# Altium PCB Horizontal Circuit Board.PcbDoc (part 2 of 2)
Units mm, origin at the board's own origin, x right, y up, seen from the top; angles counter-clockwise.
Board outline 200 x 111 mm, 2 copper layers (Top Layer, Bottom Layer); 170 components, 183 nets, 687 pads, 373 vias.
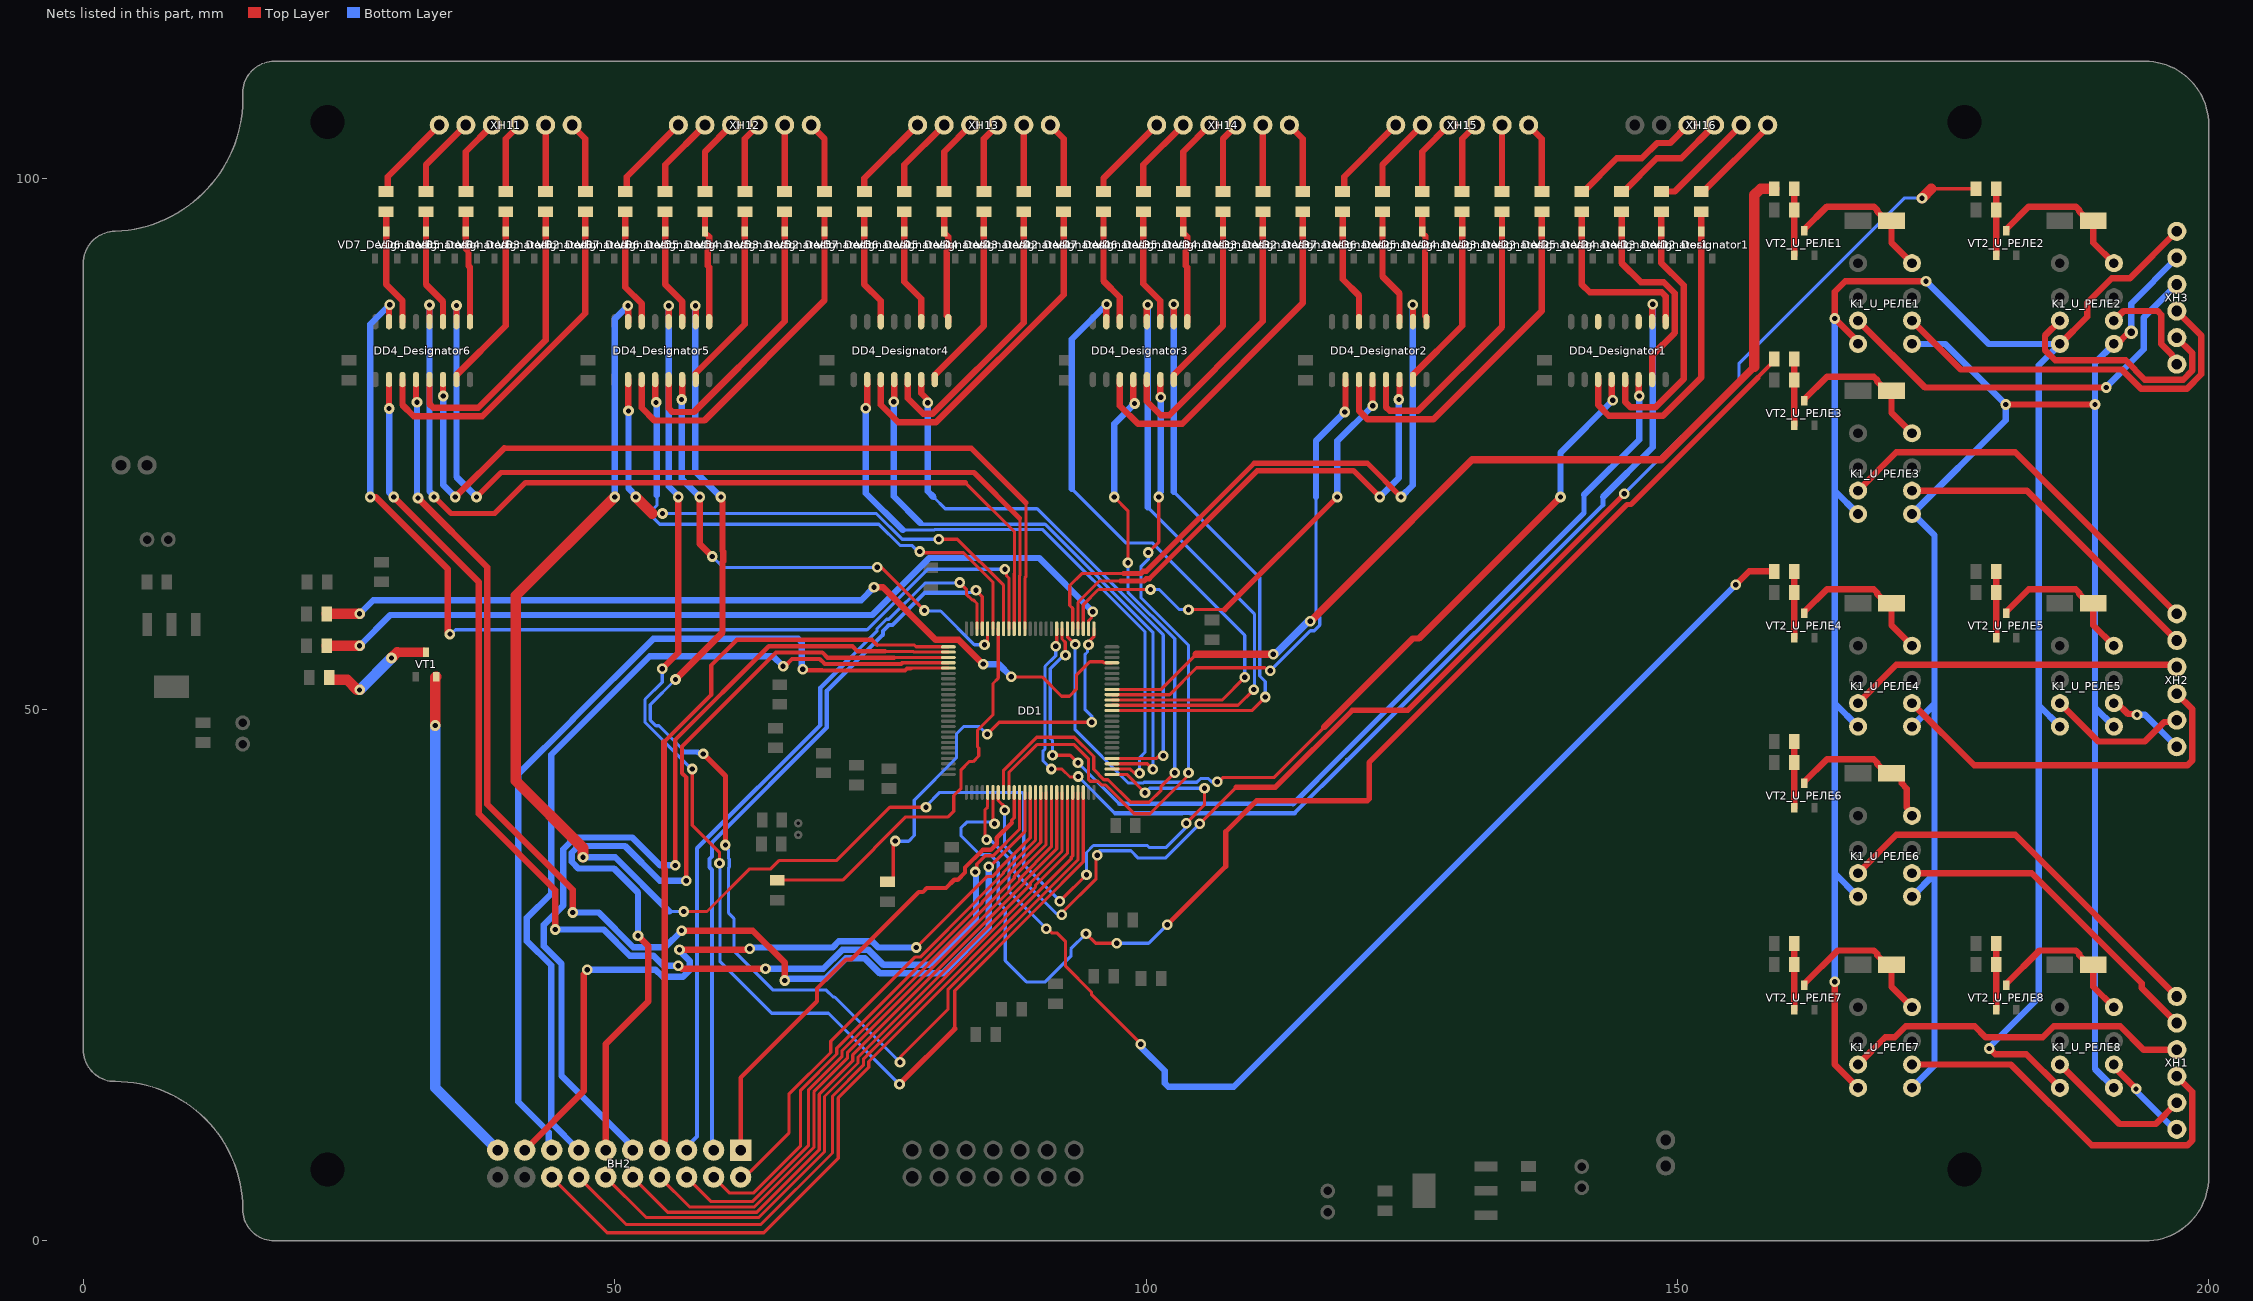
[diagram p2: the nets of this part, all layers, seen from the top]

## Via types
v1: diameter 1, hole 0.5, Top Layer to Bottom Layer, 372 vias
v2: diameter 1.27, hole 0.711, Top Layer to Bottom Layer, 1 vias

## Nets (pads, with @x,y where several pads share a name; then routed paths per layer and width w, separated by ;. In a path a pad name is that pad's centre, name@x,y a point inside that pad or via, vN(x,y) a via of type N, cw(c..) or ccw(c..) an arc to the next point about the centre after c; other vN are vias at no path point) (continued)
NetDD1_30: DD1.30 R13_U_РЕЛЕ4.1 | length 112.6
  Top Layer w0.3: v1(85,37.75) 84.846,37.904 84.846,40.568 85.1,40.822 85.1,41.029 85.1,41.404 DD1.30@85.1,42.2 ; v1(90.6,29.384) 90.722,29.384 91.126,28.98 91.611,28.98 92.433,28.158 92.433,25.847 94.859,23.421 94.859,23.191 99.5,18.55 v1(99.5,18.5)
  Top Layer w0.6: v1(155.5,61.75) 156.75,63 R13_U_РЕЛЕ4.1@159.1,63
  Bottom Layer w0.3: v1(85,37.75) 85.342,37.75 87.104,35.989 87.104,32.896 90.6,29.4 v1(90.6,29.384)
  Bottom Layer w0.6: v1(99.5,18.5) 99.5,18.25 101.75,16 101.75,14.851 102.101,14.5 108.25,14.5 v1(155.5,61.75)
NetDD1_31: DD1.31 R13_U_РЕЛЕ3.1 | length 123.9
  Top Layer w0.3: DD1.31@85.6,42.2 85.6,39.4 v1(85.75,39.25) ; v1(94.355,28.901) 95.256,28 v1(97.25,28) ; 120.824,41.425 121,41.601
  Top Layer w0.4: 157.538,81.237 R13_U_РЕЛЕ3.1@159.1,82.8
  Top Layer w0.5: v1(102,29.75) 107.5,35.25 107.5,38.5 110.425,41.425 120.824,41.425 ; 121,41.601 121,45.025 145.271,69.296 145.64,69.296 157.559,81.216
  Top Layer w0.6: R13_U_РЕЛЕ3.1@159.1,82.8 R13_U_РЕЛЕ3.1@159.1,83
  Bottom Layer w0.3: v1(85.75,39.25) 85.596,39.404 83.126,39.404 82.596,38.874 82.596,38.126 84.376,36.346 85.332,36.346 86.104,35.574 86.104,31.86 86.75,31.214 86.75,26.372 88.751,24.371 90.517,24.371 92.933,26.788 92.933,27.48 v1(94.355,28.901) ; v1(97.25,28) 100.25,28 v1(102,29.75)
NetDD1_32: DD1.32 R13_U_РЕЛЕ2.1 | length 131.8
  Top Layer w0.3: DD1.32@86.1,42.2 86.1,41.443 86.696,40.847 v1(86.696,40.532) ; v1(92.079,30.676) 92.079,30.851 95.304,34.076 95.304,36.176 v1(95.405,36.277) ; v1(105.05,39.25) 108.5,42.7 ; 173.9,99 R13_U_РЕЛЕ2.1@178.1,99
  Top Layer w0.5: 108.5,42.7 112.18,42.7 119.405,49.925 124.625,49.925 v1(145,70.3)
  Top Layer w1: v1(173.025,98.125) 173.9,99
  Bottom Layer w0.3: v1(86.696,40.532) 86.696,37.122 87.604,36.214 87.604,34.746 91.54,30.81 91.946,30.81 v1(92.079,30.676) ; v1(95.405,36.277) 95.184,36.277 95.182,36.275 95.611,36.704 98.586,36.704 99.265,36.025 101.825,36.025 v1(105.05,39.25) ; v1(145,70.3) 155.807,81.107 155.807,82.581 171.352,98.125 v1(173.025,98.125)
NetDD1_33: DD1.33 DD4_Designator3.4 | length 64.3
  Top Layer w0.3: DD1.33@86.6,42.2 86.6,44.278 89.722,47.4 93.254,47.4 95.075,45.579 95.075,44.368 96.043,43.4 96.421,43.4 98.548,41.273 100.279,41.273 101.42,42.414 101.42,42.774 v1(102.7,44.054) ; v1(97,70) 98.3,68.7 v1(98.3,63.8)
  Top Layer w0.6: DD4_Designator3.4@98.81,81.05 98.81,79.023 98.925,78.908 v1(98.925,78.8)
  Bottom Layer w0.3: v1(98.3,63.8) 98.3,61.053 102.7,56.653 v1(102.7,44.054)
  Bottom Layer w0.6: v1(97,70) 97,76.875 v1(98.925,78.8)
NetDD1_34: DD1.34 DD4_Designator3.6 | length 65.1
  Top Layer w0.3: DD1.34@87.1,42.2 87.1,44.071 89.729,46.7 93.247,46.7 94.575,45.372 94.575,43.426 94.751,43.25 95.486,43.25 95.836,42.9 96.2,42.9 98.9,40.2 100.378,40.2 104,43.822 v1(104,44.054) ; v1(100.225,64.775) 101.204,65.754 v1(101.204,70)
  Top Layer w0.6: DD4_Designator3.6@101.35,81.05 101.35,79.425 v1(101.4,79.375)
  Bottom Layer w0.3: v1(100.225,64.775) 100.225,64.15 99.521,63.446 99.521,60.54 104,56.061 v1(104,44.054)
  Bottom Layer w0.6: v1(101.204,70) 101.281,70.077 101.281,70.389 101.4,70.508 v1(101.4,79.375)
NetDD1_36: DD1.36 DD4_Designator6.2 | length 116.6
  Top Layer w0.3: v1(83.925,34.72) 84.066,34.861 84.066,35.442 84.87,36.246 85.623,36.246 88.1,38.723 88.1,40.614 88.1,40.885 DD1.36@88.1,42.2
  Top Layer w0.6: DD4_Designator6.2@28.77,81.05 28.77,78.33 v1(28.775,78.325) ; v1(29.2,70) 37.204,61.996 37.204,40.205 44.4,33.009 v1(44.4,29.3) ; v1(56,25.9) 56.3,25.6 v1(64.2,25.6)
  Bottom Layer w0.6: v1(28.775,78.325) 28.775,70.425 v1(29.2,70) ; v1(44.4,29.3) 48.978,29.3 51.432,26.846 53.654,26.846 54.6,25.9 v1(56,25.9) ; v1(64.2,25.6) 69.63,25.6 71.411,27.38 73.892,27.38 75.304,25.968 79.668,25.968 84,30.3 84,34.645 v1(83.925,34.72)
NetDD1_37: DD1.37 DD4_Designator6.4 | length 118
  Top Layer w0.3: v1(85.2,35.2) 85.2,35.306 85.14,35.366 85.204,35.302 85.386,35.302 88.6,38.516 88.6,40.822 88.6,41.092 DD1.37@88.6,42.2
  Top Layer w0.6: DD4_Designator6.4@31.31,81.05 31.31,79.123 31.4,79.033 v1(31.4,78.925) ; v1(31.5,69.9) 38.004,63.396 38.004,41.096 46.05,33.05 v1(46.05,30.9) ; v1(56.3,29.2) 63,29.2 66,26.2 v1(66,24.5)
  Bottom Layer w0.6: v1(31.4,78.925) 31.4,70 v1(31.5,69.9) ; v1(46.05,30.9) 48.509,30.9 51.763,27.646 54.746,27.646 v1(56.3,29.2) ; v1(66,24.5) 66.179,24.679 69.841,24.679 71.742,26.58 73.56,26.58 74.973,25.168 80.868,25.168 85.2,29.5 v1(85.2,35.2)
NetDD1_47: DD1.47 DD4_Designator5.10 | length 122.8
  Top Layer w0.3: v1(76.85,16.8) 76.85,17.272 81.354,21.776 81.354,23.625 93.6,35.871 DD1.47@93.6,42.2
  Top Layer w0.5: v1(58.35,45.825) 60.425,43.75 v1(60.425,37.25)
  Top Layer w0.6: v1(55.725,52.825) 60.15,57.25 60.15,63.884 60.229,63.963 60.229,64.837 60.15,64.916 60.15,69.567 60.077,69.641 60.077,69.923 v1(60,70) ; v1(57.6,88) 57.62,87.98 DD4_Designator5.10@57.62,86.5
  Bottom Layer w0.3: v1(55.725,52.825) 53.352,50.452 53.352,49.007 53.882,48.477 54.173,48.477 56.65,46 ; v1(60.425,37.25) 60.425,37.061 60.725,36.761 60.725,35.976 60.777,35.924 60.777,35.175 60.725,35.123 60.725,30.85 61.225,30.35 61.225,27.297 64.926,23.596 69.929,23.596 70.575,22.95 70.7,22.95 v1(76.85,16.8)
  Bottom Layer w0.5: 56.65,46 57.821,46 57.901,45.921 58.254,45.921 v1(58.35,45.825)
  Bottom Layer w0.6: v1(57.6,88) 57.6,72.4 v1(60,70)
NetDD1_48: DD1.48 DD4_Designator5.12 | length 124.2
  Top Layer w0.3: v1(57.297,44.4) 57.297,39.1 59.873,36.523 v1(59.873,35.55) ; 82,19.95 82,23.55 89.975,31.525 89.975,31.539 94.1,35.664 DD1.48@94.1,42.2
  Top Layer w0.5: v1(76.8,14.75) 82,19.95
  Top Layer w0.6: v1(54.475,53.825) 56,55.35 v1(56,70) ; DD4_Designator5.12@55.08,86.5 55.08,87.98 v1(55.1,88)
  Bottom Layer w0.3: v1(54.475,53.825) 54.475,52.575 52.852,50.952 52.852,48.8 57.252,44.4 v1(57.297,44.4) ; v1@59.8,35.6 59.925,35.475 59.925,26.275 64.771,21.429 70.121,21.429 v1(76.8,14.75)
  Bottom Layer w0.6: v1(55.1,88) 55.1,71.008 56,70.108 v1(56,70)
NetDD1_51: DD1.51 DD4_Designator5.15 | length 150.5
  Top Layer w0.3: v1(56.5,31) 58.695,31 62.695,35 64.7,35 65.5,35.8 70.9,35.8 75.9,40.8 v1(79.3,40.8) ; v1(91.879,31.952) 91.879,32.182 91.875,32.186 92.136,32.186 v1(94.4,34.45) ; DD1.51@96.8,43.9 98.182,43.9 v1(99.905,42.177) ; v1(103.78,39.302) 105.505,41.027 v1(105.505,42.602)
  Top Layer w0.6: v1(51.25,88) 51.27,87.98 DD4_Designator5.15@51.27,86.5
  Top Layer w1: v1(47.025,36.1) 47.025,36.975 40.7,43.3 40.7,60.7 v1(50,70)
  Bottom Layer w0.3: 55.15,31 v1(56.5,31) ; v1(79.3,40.8) 79.3,40.9 80.6,42.2 88.324,42.2 88.5,42.024 88.5,35.4 91.879,32.021 v1(91.879,31.952) ; v1(94.4,34.45) 94.4,36.551 95.053,37.204 100.134,37.204 100.327,37.01 101.864,37.01 103.78,38.927 v1(103.78,39.302) ; v1(99.905,42.177) 100.33,42.602 v1(105.505,42.602)
  Bottom Layer w0.6: v1(47.025,36.1) 50.05,36.1 55.15,31 ; v1(50,70) 50,86.75 v1(51.25,88)
NetDD1_52: DD1.52 DD4_Designator4.2 | length 58.7
  Top Layer w0.3: DD1.52@96.8,44.4 98.525,44.4 98.929,43.996 v1(99.396,43.996)
  Top Layer w0.6: v1(73.633,78.35) 73.633,78.459 73.77,78.595 DD4_Designator4.2@73.77,81.05
  Bottom Layer w0.3: 77.1,66.9 80.097,66.9 80.126,66.929 90.303,66.929 99.904,57.328 99.904,45.984 99.396,45.476 v1(99.396,43.996)
  Bottom Layer w0.6: v1(73.633,78.35) 73.633,70.367 77.1,66.9
NetDD1_53: DD1.53 DD4_Designator4.4 | length 57.7
  Top Layer w0.3: DD1.53@96.8,44.9 100.125,44.9 v1(100.65,44.375)
  Top Layer w0.6: v1(76.258,78.95) 76.31,79.002 DD4_Designator4.4@76.31,81.05
  Bottom Layer w0.3: 78.771,67.55 78.892,67.429 90.51,67.429 100.65,57.289 v1(100.65,44.375)
  Bottom Layer w0.6: v1(76.258,78.95) 76.258,70.063 78.771,67.55
NetDD1_54: DD1.54 DD4_Designator4.6 | length 54.8
  Top Layer w0.3: DD1.54@96.8,45.4 101,45.4 101.25,45.65 v1(101.625,45.65)
  Top Layer w0.6: DD4_Designator4.6@78.85,81.05 78.85,79.776 79.475,79.151 v1(79.475,78.875)
  Bottom Layer w0.3: 80,70 81.104,68.896 89.75,68.896 101.625,57.021 v1(101.625,45.65)
  Bottom Layer w0.6: v1(79.475,78.875) 79.475,70.525 80,70
NetDD1_63: DD1.63 DD4_Designator3.10 | length 57.2
  Top Layer w0.3: DD1.63@96.8,49.9 109.95,49.9 v1(111.225,51.175)
  Top Layer w0.6: v1(102.6,88.15) 102.62,88.13 DD4_Designator3.10@102.62,86.5
  Bottom Layer w0.3: 102.6,70.508 110.704,62.404 110.704,53.156 111.225,52.635 v1(111.225,51.175)
  Bottom Layer w0.6: 102.6,70.508 v1(102.6,88.15)
NetDD1_64: DD1.64 DD4_Designator3.12 | length 56
  Top Layer w0.3: DD1.64@96.8,50.4 108.653,50.4 v1(110.13,51.878)
  Top Layer w0.6: DD4_Designator3.12@100.08,86.5 100.08,88.03 v1(100.15,88.1)
  Bottom Layer w0.3: 100.15,69.052 110.204,58.998 110.204,51.951 v1(110.13,51.878)
  Bottom Layer w0.6: 100.15,69.052 v1(100.15,88.1)
NetDD1_65: DD1.65 DD4_Designator3.15 | length 59.8
  Top Layer w0.3: DD1.65@96.8,50.9 107.175,50.9 v1(109.3,53.025)
  Top Layer w0.6: DD4_Designator3.15@96.27,86.5 96.27,88.12 v1(96.3,88.15)
  Bottom Layer w0.3: 93,70.775 98.096,65.679 100.599,65.679 109.3,56.978 v1(109.3,53.025)
  Bottom Layer w0.6: 93,70.775 93,84.85 v1(96.3,88.15)
NetDD1_66: DD1.66 DD4_Designator2.2 | length 46.9
  Top Layer w0.3: DD1.66@96.8,51.4 102.225,51.4 104.754,53.929 111.196,53.929 111.478,53.647 v1(111.704,53.647)
  Top Layer w0.6: v1(118.7,78) 118.77,78.07 DD4_Designator2.2@118.77,81.05
  Bottom Layer w0.3: v1(111.704,53.647) 115.47,57.413 115.828,57.413 116.358,57.943 116.358,58.692 116,59.05 116,70
  Bottom Layer w0.6: 116,70 116,75.3 v1(118.7,78)
NetDD1_67: DD1.67 R13_U_РЕЛЕ1.1 | length 91.3
  Top Layer w0.3: DD1.67@96.8,51.9 101.447,51.9 104.736,55.19 ; v1(115.454,58.317) v1@115.492,58.317
  Top Layer w0.7: 104.736,55.19 v1(111.969,55.19) ; v1@115.492,58.317 119.447,62.272 130.675,73.5 148.5,73.5 157.25,82.25
  Top Layer w1: 157.25,82.25 157.25,98.414 157.836,99 R13_U_РЕЛЕ1.1@159.1,99
  Bottom Layer w0.3: v1(111.969,55.19) v1@112.148,55.19 ; v1@115.275,58.317 v1(115.454,58.317)
  Bottom Layer w0.7: v1@112.148,55.19 v1@115.275,58.317
NetDD1_72: DD1.72 R12.2 | length 81.4
  Top Layer w0.3: v1(87.325,53.075) 90.222,53.075 92.051,51.246 92.8,51.246 93.454,51.9 93.454,53.229 94.725,54.5 95.943,54.5 96.043,54.4 96.25,54.4 DD1.72@96.8,54.4
  Top Layer w0.6: v1(74.4,61.5) 75.25,61.5 80.2,56.55 82.375,56.55 84.646,54.279 v1(84.7,54.279)
  Top Layer w1: R12.2@22.9,59 v1(26,59)
  Bottom Layer w0.6: v1(26,59) 27.3,60.3 73.2,60.3 v1(74.4,61.5) ; v1(84.7,54.279) 86.121,54.279 v1(87.325,53.075)
NetDD1_76: DD1.76 R11.2 | length 40.7
  Top Layer w0.3: R11.2@75.675,33.8 75.875,33.8 76.225,34.15 76.225,37.261 76.401,37.436 v1(76.401,37.626) ; v1(85.05,47.675) 86.175,48.8 v1(94.9,48.8) ; v1(94.583,56.111) 94.583,56.326 95.1,56.843 DD1.76@95.1,57.6
  Bottom Layer w0.3: v1(76.401,37.626) 76.418,37.608 77.662,37.608 78.2,38.147 78.2,41.478 82.171,45.449 82.171,47.723 82.855,48.406 84.319,48.406 v1(85.05,47.675) ; v1(94.583,56.111) 94.491,56.018 94.491,55.415 94.25,55.174 94.25,50.029 94.85,49.429 94.9,49.379 v1(94.9,48.8)
NetDD1_77: DD1.77 R4.1 | length 79.4
  Top Layer w0.3: DD1.77@94.6,57.6 94.6,58.15 94.6,58.357 94.87,58.627 94.87,59.059 v1(95.004,59.193)
  Top Layer w1: R4.1@22.9,56 v1(26,56)
  Bottom Layer w0.6: v1(26,56) 28.9,58.9 74.241,58.9 79.595,64.254 89.943,64.254 v1(95.004,59.193)
NetDD1_78: DD1.78 DD4_Designator2.4 | length 44.4
  Top Layer w0.3: DD1.78@94.1,57.6 94.1,59.875 95.525,61.3 v1(100.425,61.3) ; v1(104,59.4) 107.4,59.4
  Top Layer w0.5: 107.4,59.4 v1(118,70)
  Top Layer w0.6: DD4_Designator2.4@121.31,81.05 121.31,78.615 v1(121.325,78.6)
  Bottom Layer w0.3: v1(100.425,61.3) 101.25,61.3 103.15,59.4 v1(104,59.4)
  Bottom Layer w0.6: v1(118,70) 118,75.275 v1(121.325,78.6)
NetDD1_79: DD1.79 DD4_Designator2.6 | length 48.9
  Top Layer w0.3: DD1.79@93.6,57.6 93.6,60.082 95.614,62.096 97.594,62.096
  Top Layer w0.5: 97.594,62.096 99.801,62.096 100.009,62.304 100.307,62.304 110.478,72.475 119.525,72.475 v1(122,70)
  Top Layer w0.6: v1(123.8,79.175) 123.85,79.225 DD4_Designator2.6@123.85,81.05
  Bottom Layer w0.6: v1(122,70) 123.8,71.8 v1(123.8,79.175)
NetDD1_80: DD1.80 DD4_Designator2.10 | length 61.6
  Top Layer w0.3: DD1.80@93.1,57.6 93.1,59.516 92.825,59.791 92.825,61.675 93.946,62.796 97.884,62.796
  Top Layer w0.5: 97.884,62.796 99.511,62.796 99.719,63.004 100.017,63.004 110.188,73.175 120.825,73.175 v1(124,70)
  Top Layer w0.6: v1(125.1,88.1) 125.12,88.08 DD4_Designator2.10@125.12,86.5
  Bottom Layer w0.6: v1(124,70) 125.1,71.1 v1(125.1,88.1)
NetDD1_89: DD1.89 DD4_Designator6.6 | length 81.2
  Top Layer w0.3: DD1.89@88.6,57.6 88.6,62.382 88.7,62.482 88.7,69.45
  Top Layer w0.5: 39.6,74.6 83.55,74.6 88.7,69.45
  Top Layer w0.6: DD4_Designator6.6@33.85,81.05 33.85,79.525 v1(33.875,79.5) ; v1(35,70) 39.6,74.6
  Bottom Layer w0.6: v1(33.875,79.5) 33.875,71.125 v1(35,70)
NetDD1_90: DD1.90 DD4_Designator6.10 | length 84.6
  Top Layer w0.3: DD1.90@88.1,57.6 88.1,62.589 88.129,62.618 88.129,67.942 88.1,67.971
  Top Layer w0.5: v1(37,70) 39.3,72.3 83.8,72.3 88.1,68 88.1,67.971
  Top Layer w0.6: DD4_Designator6.10@35.12,86.5 v1(35.12,88.022)
  Bottom Layer w0.6: v1(35.12,88.022) 35.12,71.88 v1(37,70)
NetDD1_91: DD1.91 DD4_Designator6.12 | length 87.4
  Top Layer w0.3: 83.003,71.35 87.629,66.724 87.629,62.826 87.6,62.797 DD1.91@87.6,57.6
  Top Layer w0.5: v1(33,70) 33.055,70 34.605,68.45 38.705,68.45 41.605,71.35 83.003,71.35
  Top Layer w0.6: v1@32.5,88.142 v1(32.58,88.062) DD4_Designator6.12@32.58,86.5
  Bottom Layer w0.6: v1(32.58,88.062) 32.58,70.528 33,70.108 v1(33,70)
NetDD1_92: DD1.92 DD4_Designator6.15 | length 96.8
  Top Layer w0.3: v1(27,70) v1@27.05,69.95 ; v1@34.3,57.3 v1(34.5,57.1) ; v1(86.725,63.2) 86.859,63.066 86.859,62.616 87.1,62.375 DD1.92@87.1,57.6
  Top Layer w0.6: 27.522,70.003 34.3,63.225 v1@34.3,57.3 ; DD4_Designator6.15@28.77,86.5 28.77,88.02 v1(28.828,88.077)
  Bottom Layer w0.3: v1(34.5,57.1) 34.626,57.1 35.026,57.5 73.76,57.5 79.46,63.2 v1(86.725,63.2)
  Bottom Layer w0.6: v1(27,70) 27,86.25 v1(28.828,88.077)
NetDD1_93: DD1.93 DD4_Designator5.2 | length 53.5
  Top Layer w0.3: 53.55,68.45 v1(54.5,68.45) ; v1(80.5,66.025) 82.257,66.025 86.6,61.682 DD1.93@86.6,57.6
  Top Layer w0.6: DD4_Designator5.2@51.27,81.05 51.27,78.13 v1(51.3,78.1)
  Top Layer w1: v1(52,70) 53.55,68.45
  Bottom Layer w0.3: v1(54.5,68.45) 74.631,68.45 77.056,66.025 v1(80.5,66.025)
  Bottom Layer w0.6: v1(51.3,78.1) 51.3,70.808 52,70.108 v1(52,70)
NetDD1_94: DD1.94 R2.1 | length 38.5
  Top Layer w0.3: R2.1@65.3,33.95 71.447,33.95 77.393,39.896 81.374,39.896 81.907,40.43 81.907,41.907 82.6,42.6 82.6,44.35 83.348,45.098 83.729,45.098 84.258,45.628 84.258,46.377 84.146,46.489 84.146,48.049 85.6,49.504 85.6,52.454 86.1,52.953 DD1.94@86.1,57.6
NetDD1_95: DD1.95 DD4_Designator5.4 | length 52.1
  Top Layer w0.3: v1(78.725,64.875) 78.854,64.746 82.829,64.746 85.6,61.975 DD1.95@85.6,57.6
  Top Layer w0.6: DD4_Designator5.4@53.81,81.05 53.81,79.098 53.9,79.008 v1(53.9,78.9)
  Bottom Layer w0.3: 53.975,70.15 53.975,69.203 53.596,68.824 53.596,68.076 54.234,67.438 74.865,67.438 76.852,65.45 77.961,65.45 78.536,64.875 v1(78.725,64.875)
  Bottom Layer w0.6: v1(53.9,78.9) 53.975,78.825 53.975,70.15
NetDD1_96: DD1.96 DD4_Designator5.6 | length 48.6
  Top Layer w0.3: v1(74.725,63.375) 75.1,63.375 v1(79.15,59.325) ; v1(84.8,56.1) 85.1,56.4 DD1.96@85.1,57.6
  Top Layer w0.6: v1(56.3,79.175) 56.35,79.225 DD4_Designator5.6@56.35,81.05 ; v1(58,70) 58,65.575 v1(59.175,64.4)
  Bottom Layer w0.3: v1(59.175,64.4) 59.2,64.4 60.225,63.375 v1(74.725,63.375) ; v1@79.093,59.275 80.673,59.275 83.848,56.1 v1(84.8,56.1)
  Bottom Layer w0.6: v1(56.3,79.175) 56.3,71.7 v1(58,70)
NetDD4_Designator1_3: DD4_Designator1.3 R15_Designator1.2 VD2_Designator1.3 | length 29.6
  Top Layer w0.6: DD4_Designator1.3@142.54,81.05 142.54,78.66 143.554,77.646 148.646,77.646 152.25,81.25 VD2_Designator1.3@152.25,95 R15_Designator1.2@152.25,96.85
NetDD4_Designator1_5: DD4_Designator1.5 R16_Designator1.2 VD3_Designator1.3 | length 25.5
  Top Layer w0.6: DD4_Designator1.5@145.08,81.05 145.08,78.951 145.585,78.446 147.943,78.446 150.598,81.101 150.598,89.92 148.5,92.018 R16_Designator1.2@148.5,96.85
NetDD4_Designator1_7: DD4_Designator1.7 R17_Designator1.2 VD4_Designator1.3 | length 20
  Top Layer w0.6: R17_Designator1.2@144.75,96.85 144.75,92.018 146.572,90.196 148.724,90.196 149.744,89.176 149.744,85.439 147.62,83.315 DD4_Designator1.7@147.62,81.05
NetDD4_Designator1_9: DD4_Designator1.9 R18_Designator1.2 VD5_Designator1.3 | length 17.6
  Top Layer w0.6: R18_Designator1.2@141,96.85 VD5_Designator1.3@141,95 141,90 141.75,89.25 148.539,89.25 148.89,88.899 DD4_Designator1.9@148.89,86.5
NetDD4_Designator1_11: DD4_Designator1.11
NetDD4_Designator1_14: DD4_Designator1.14
NetDD4_Designator2_3: DD4_Designator2.3 R15_Designator2.2 VD2_Designator2.3 | length 34.1
  Top Layer w0.6: DD4_Designator2.3@120.04,81.05 120.04,78.101 120.841,77.3 127.05,77.3 137.25,87.5 VD2_Designator2.3@137.25,95 R15_Designator2.2@137.25,96.85
NetDD4_Designator2_5: DD4_Designator2.5 R16_Designator2.2 VD3_Designator2.3 | length 27.8
  Top Layer w0.6: DD4_Designator2.5@122.58,81.05 122.58,78.451 122.931,78.1 125.6,78.1 133.5,86 VD3_Designator2.3@133.5,95 R16_Designator2.2@133.5,96.85
NetDD4_Designator2_7: DD4_Designator2.7 R17_Designator2.2 VD4_Designator2.3 | length 17.7
  Top Layer w0.6: DD4_Designator2.7@125.12,81.05 125.12,81.475 129.75,86.105 VD4_Designator2.3@129.75,95 R17_Designator2.2@129.75,96.85
NetDD4_Designator2_9: DD4_Designator2.9 R18_Designator2.2 VD5_Designator2.3 | length 10.6
  Top Layer w0.6: R18_Designator2.2@126,96.85 126,94.825 126.3,94.525 126.3,93.182 126.25,93.132 126.25,87.065 126.39,86.925 DD4_Designator2.9@126.39,86.5
NetDD4_Designator2_11: DD4_Designator2.11 R19_Designator2.2 VD6_Designator2.3 | length 11
  Top Layer w0.6: R19_Designator2.2@122.25,96.85 VD6_Designator2.3@122.25,95 122.25,90.75 123.85,89.15 DD4_Designator2.11@123.85,86.5
NetDD4_Designator2_14: DD4_Designator2.14 R20_Designator2.2 VD7_Designator2.3 | length 11
  Top Layer w0.6: R20_Designator2.2@118.5,96.85 VD7_Designator2.3@118.5,95 118.5,90.5 120.04,88.96 DD4_Designator2.14@120.04,86.5
NetDD4_Designator3_3: DD4_Designator3.3 R15_Designator3.2 VD2_Designator3.3 | length 33.7
  Top Layer w0.6: DD4_Designator3.3@97.54,81.05 97.54,78.601 99.241,76.9 103.4,76.9 114.75,88.25 VD2_Designator3.3@114.75,95 R15_Designator3.2@114.75,96.85
NetDD4_Designator3_5: DD4_Designator3.5 R16_Designator3.2 VD3_Designator3.3 | length 27.5
  Top Layer w0.6: DD4_Designator3.5@100.08,81.05 100.08,79.02 101.4,77.7 102.173,77.7 111,86.527 VD3_Designator3.3@111,95 R16_Designator3.2@111,96.85
NetDD4_Designator3_7: DD4_Designator3.7 R17_Designator3.2 VD4_Designator3.3 | length 17.7
  Top Layer w0.6: DD4_Designator3.7@102.62,81.05 102.62,81.475 107.25,86.105 VD4_Designator3.3@107.25,95 R17_Designator3.2@107.25,96.85
NetDD4_Designator3_9: DD4_Designator3.9 R18_Designator3.2 VD5_Designator3.3 | length 10.7
  Top Layer w0.6: R18_Designator3.2@103.5,96.85 103.5,94.825 103.539,94.825 103.89,94.474 103.89,93.272 103.75,93.132 103.75,91.768 103.89,91.628 DD4_Designator3.9@103.89,86.5
NetDD4_Designator3_11: DD4_Designator3.11 R19_Designator3.2 VD6_Designator3.3 | length 11
  Top Layer w0.6: R19_Designator3.2@99.75,96.85 VD6_Designator3.3@99.75,95 99.75,90.075 101.35,88.475 DD4_Designator3.11@101.35,86.5
NetDD4_Designator3_14: DD4_Designator3.14 R20_Designator3.2 VD7_Designator3.3 | length 11
  Top Layer w0.6: R20_Designator3.2@96,96.85 VD7_Designator3.3@96,95 96,90.325 97.54,88.785 DD4_Designator3.14@97.54,86.5
NetDD4_Designator4_3: DD4_Designator4.3 R15_Designator4.2 VD2_Designator4.3 | length 33.1
  Top Layer w0.6: DD4_Designator4.3@75.04,81.05 75.04,78.678 76.697,77.021 80.243,77.021 92.25,89.028 VD2_Designator4.3@92.25,95 R15_Designator4.2@92.25,96.85